# Altium PCB Layout.PcbDoc (part 1 of 3)
Units mm, origin at the board's own origin, x right, y up, seen from the top; angles counter-clockwise.
Board outline 143.51 x 102.23 mm, 2 copper layers (Top Layer, Bottom Layer); 183 components, 85 nets, 583 pads, 860 vias.
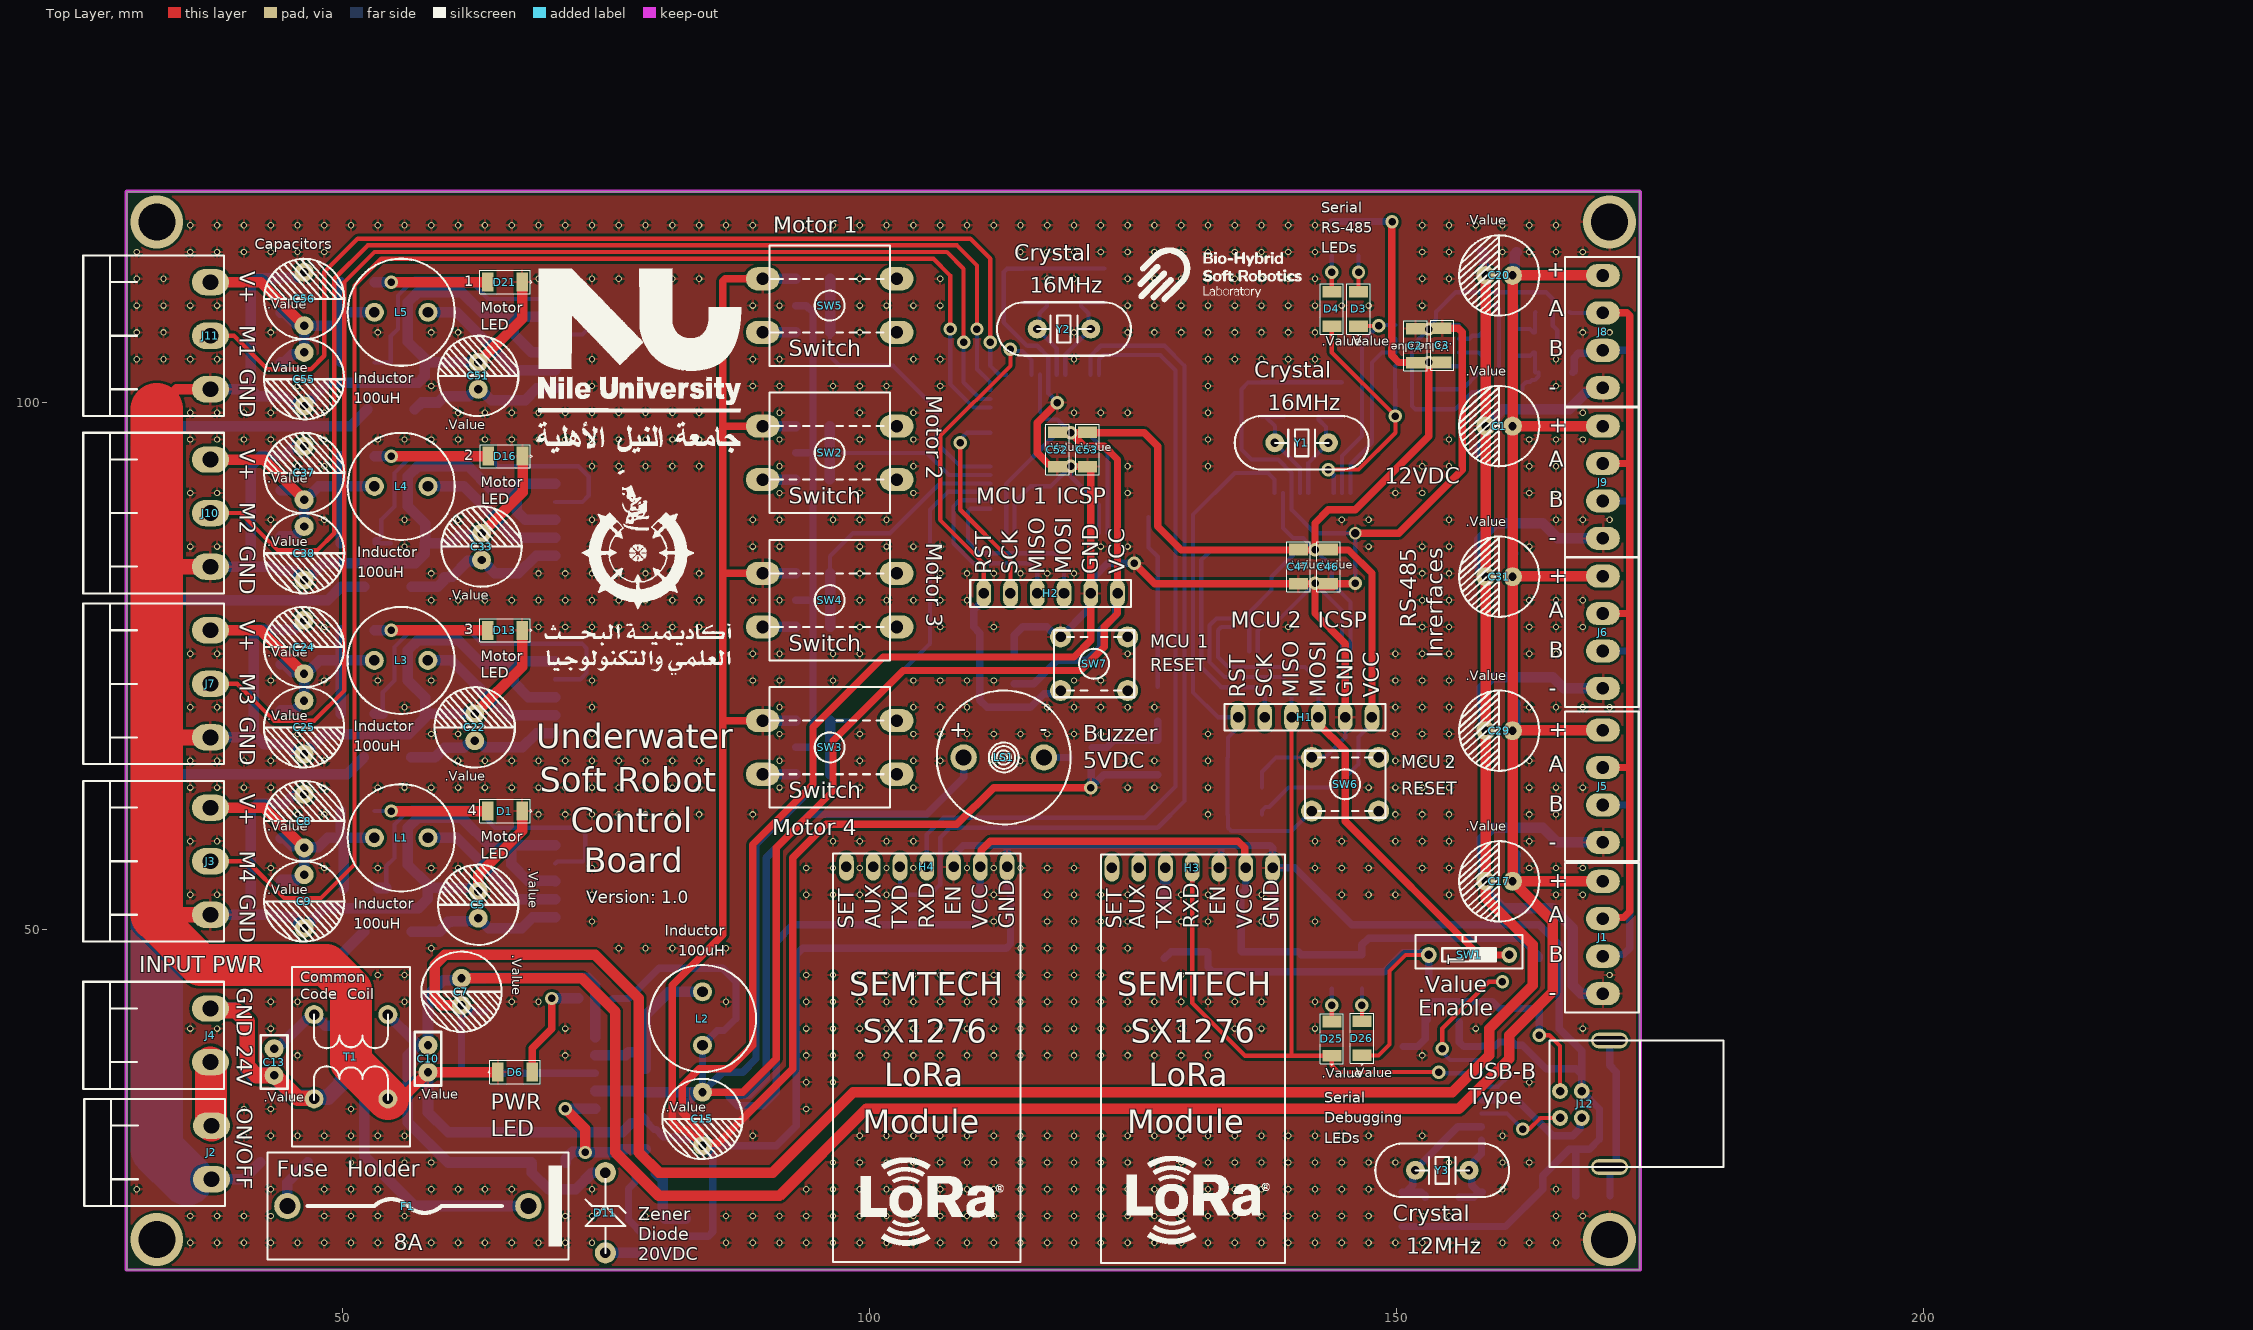
[diagram p0: Top Layer view]
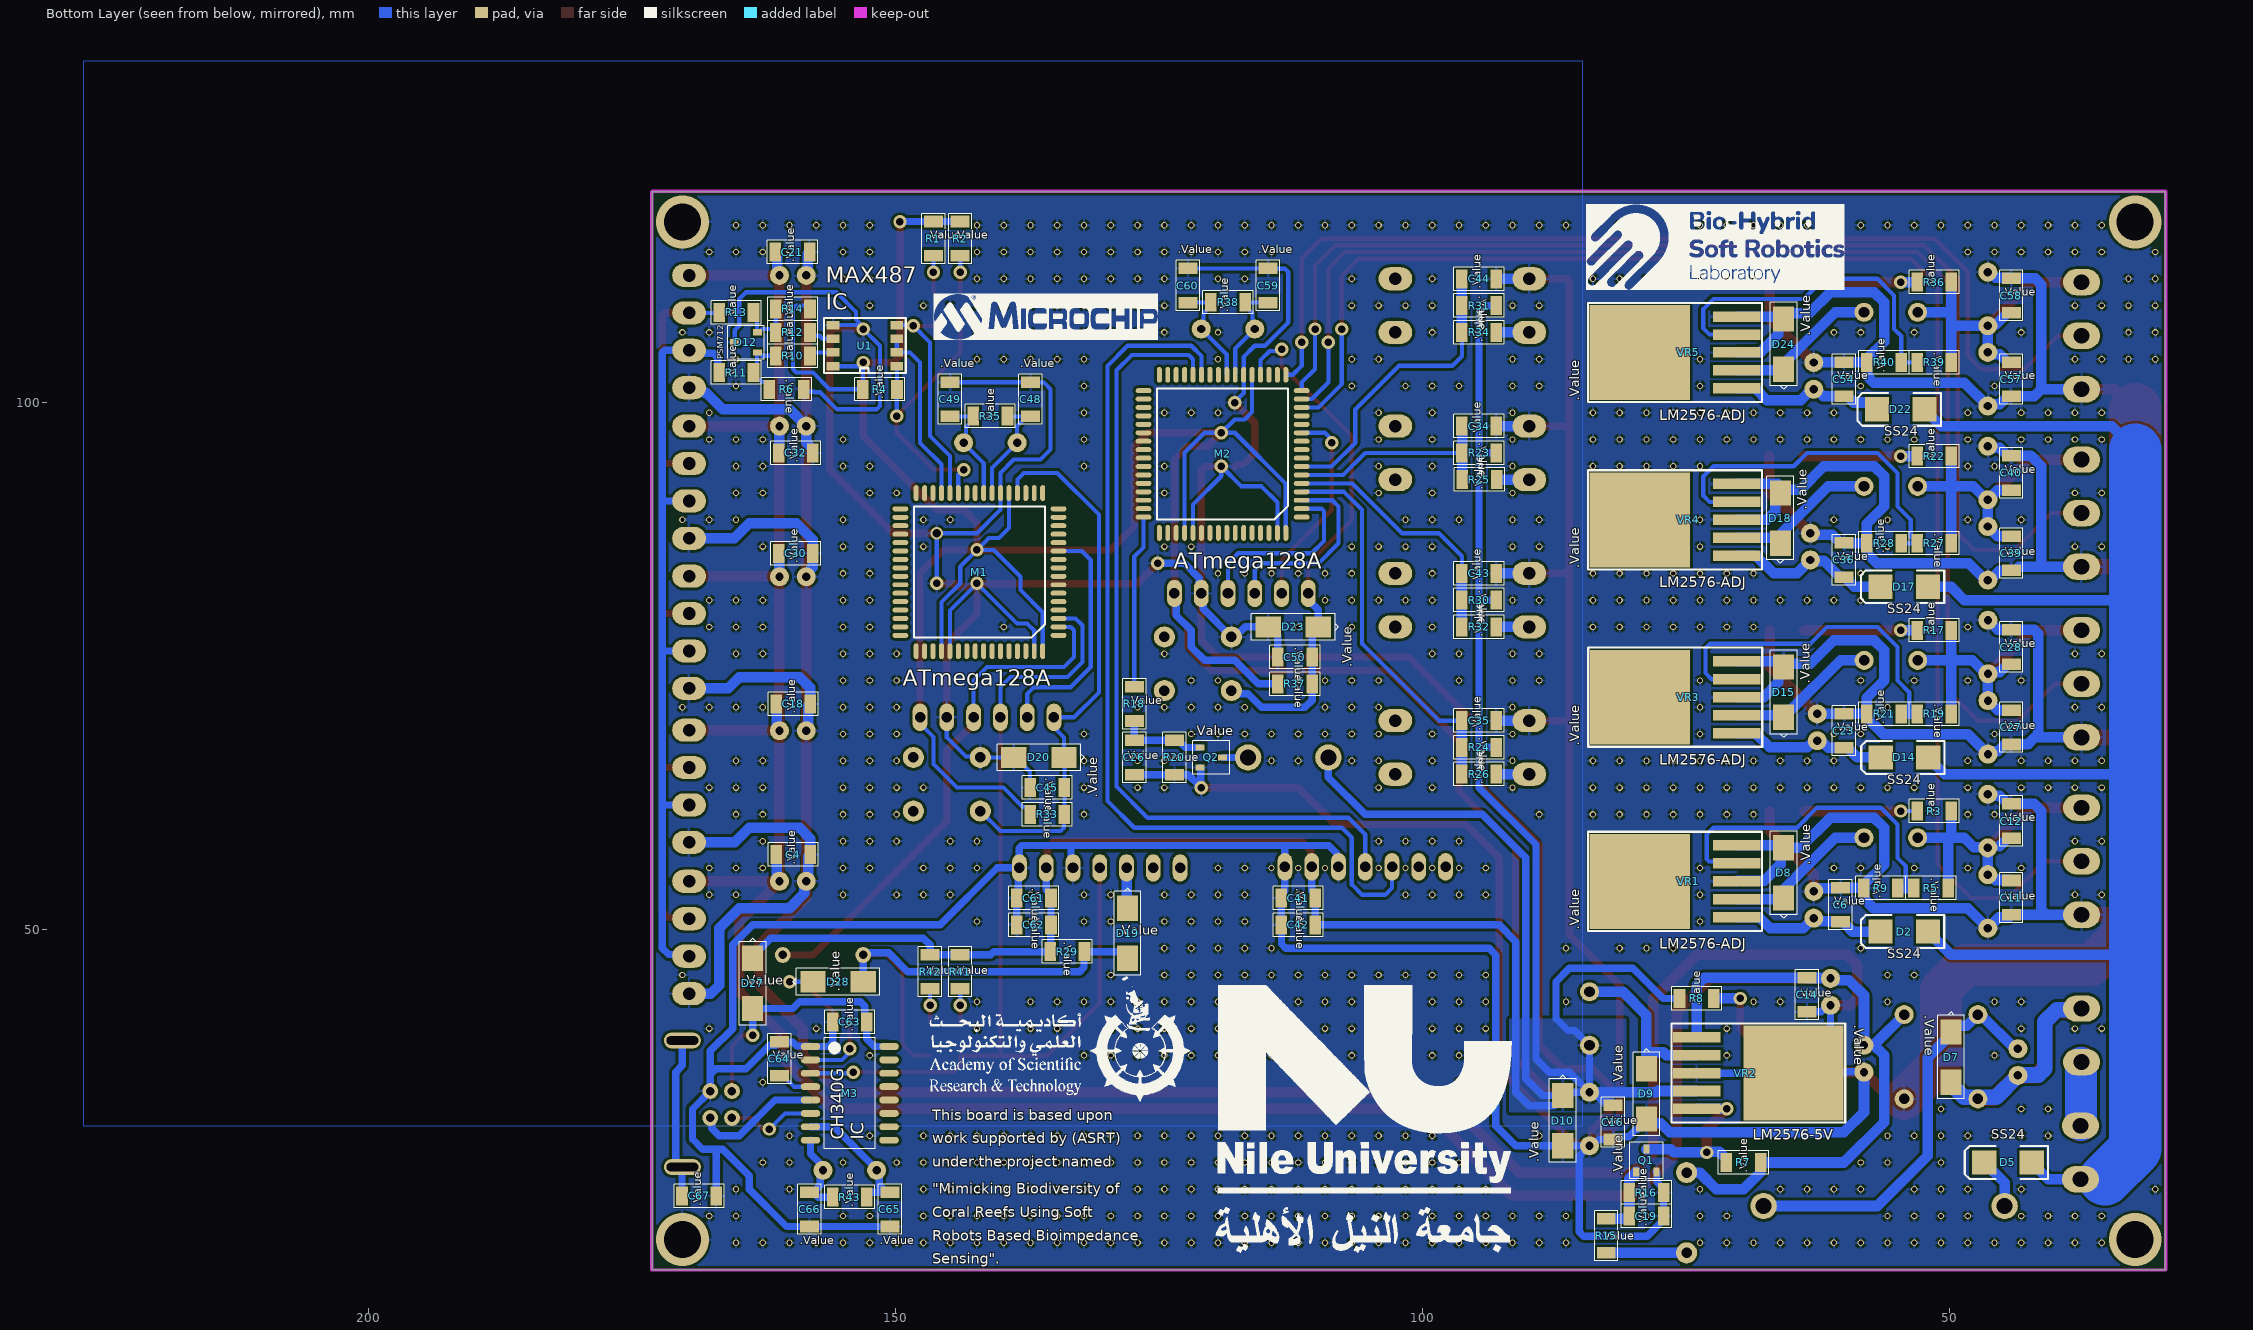
[diagram p1: Bottom Layer view, seen from below]

## Layer stack, top to bottom
Top Solder: solder mask 0.0102, Solder Resist, Dk 3.5
Top Layer: signal copper 0.0356
Dielectric 1: dielectric 0.32, FR-4, Dk 4.8
Bottom Layer: signal copper 0.0356
Bottom Solder: solder mask 0.0102, Solder Resist, Dk 3.5

## Board outline
29.527,23.177 29.527,120.015 173.037,120.015 173.037,17.78 29.527,17.78

## Design rules (kind name [scope] priority, off if disabled: settings)
Clearance [All] p1: gap=0.254 ignorepadtopadclearanceinfootprint=FALSE except(0: Arc-Hole Track-Hole SMDPad-Hole THPad-Hole Via-Hole Fill-Hole Poly-Hole Region-Hole Text-Hole)
PolygonConnect [All] p1: connectstyle=Relief reliefconductorwidth=0.254 reliefentries=4 polygonreliefangle="90 Angle" airgapwidth=0.254
RoutingVias [All] p1: holewidth=0.711 width=1.27 viastyle="Through Hole" minholewidth=0.711 minwidth=1.27 maxholewidth=0.711 maxwidth=1.27
SolderMaskExpansion [All] p1: expansion=0.102 istentingtop=FALSE
Width [All] p1: maxlimit=5 minlimit=0.254 preferedwidth=0.254
30 further rules are at their usual default settings.

## Components (designator, comment, footprint, x,y, rotation, side; value= is the part's Value field where it differs from the comment)
C1 "CAP POL" CAP-P-1W 160.972,97.79 r180 top value=220uF/50V
C2 "Cap" C-1206 151.765,105.41 r270 top value=104
C3 "Cap" C-1206 154.305,105.447 r270 top value=106
C4 "Cap" C-1206 159.665,57.15 r0 bottom value=104
C5 "CAP POL" CAP-P-1W 62.865,51.117 r90 top value=220uF/50V
C6 "Cap" C-1206 60.325,52.387 r270 bottom value=104
C7 "CAP POL" CAP-P-1W 61.277,45.402 r270 top value=220uF/50V
C8 "CAP POL" CAP-P-2 46.355,57.785 r90 top value=1000uF/16V
C9 "CAP POL" CAP-P-2 46.355,55.245 r270 top value=1000uF/16V
C10 "Cap" CAP-NP-1 58.102,36.512 r90 top value=104
C11 "Cap" C-1206 44.133,53.06 r90 bottom value=104
C12 "Cap" C-1206 44.133,60.325 r270 bottom value=104
C13 "Cap" CAP-NP-1 43.497,36.195 r90 top value=104
C14 "Cap" C-1206 63.5,43.852 r90 bottom value=104
C15 "CAP POL" CAP-P-2 84.138,34.608 r270 top value=1000uF/16V
C16 "Cap" C-1206 81.915,31.75 r90 bottom value=104
C17 "CAP POL" CAP-P-1W 160.972,54.61 r180 top value=220uF/50V
C18 "Cap" C-1206 159.665,71.438 r0 bottom value=104
C19 "Cap" C-1206 78.74,22.86 r0 bottom value=104
C20 "CAP POL" CAP-P-1W 160.972,112.078 r180 top value=220uF/50V
C21 "Cap" C-1206 159.74,114.3 r0 bottom value=104
C22 "CAP POL" CAP-P-1W 62.535,67.945 r90 top value=220uF/50V
C23 "Cap" C-1206 60.008,68.897 r270 bottom value=104
C24 "CAP POL" CAP-P-2 46.342,74.295 r90 top value=1000uF/16V
C25 "CAP POL" CAP-P-2 46.342,71.755 r270 top value=1000uF/16V
C26 "Cap" C-1206 127.317,66.358 r90 bottom value=104
C27 "Cap" C-1206 44.133,69.215 r90 bottom value=104
C28 "Cap" C-1206 44.133,76.835 r270 bottom value=104
C29 "CAP POL" CAP-P-1W 160.972,68.897 r180 top value=220uF/50V
C30 "Cap" C-1206 159.422,85.725 r0 bottom value=104
C31 "CAP POL" CAP-P-1W 160.972,83.502 r180 top value=220uF/50V
C32 "Cap" C-1206 159.422,95.25 r0 bottom value=104
C33 "CAP POL" CAP-P-1W 63.182,85.09 r90 top value=220uF/50V
C34 "Cap" C-1206 94.615,97.79 r0 bottom value=104
C35 "Cap" C-1206 94.615,69.85 r0 bottom value=104
C36 "Cap" C-1206 60.008,85.09 r270 bottom value=104
C37 "CAP POL" CAP-P-2 46.355,90.805 r90 top value=1000uF/16V
C38 "CAP POL" CAP-P-2 46.355,88.265 r270 top value=1000uF/16V
C39 "Cap" C-1206 44.133,85.725 r90 bottom value=104
C40 "Cap" C-1206 44.133,93.345 r270 bottom value=104
C41 "Cap" C-1206 111.76,53.023 r180 bottom value=104
C42 "Cap" C-1206 111.76,50.482 r180 bottom value=106
C43 "Cap" C-1206 94.615,83.82 r0 bottom value=104
C44 "Cap" C-1206 94.615,111.76 r0 bottom value=104
C45 "Cap" C-1206 135.572,63.5 r180 bottom value=101
C46 "Cap" C-1206 143.51,84.455 r90 top value=104
C47 "Cap" C-1206 140.653,84.455 r90 top value=106
C48 "Cap" C-1206 137.16,100.33 r270 bottom value=22pF
C49 "Cap" C-1206 144.78,100.33 r270 bottom value=22pF
C50 "Cap" C-1206 112.078,75.882 r180 bottom value=101
C51 "CAP POL" CAP-P-1W 62.865,101.282 r90 top value=220uF/50V
C52 "Cap" C-1206 117.792,95.567 r90 top value=104
C53 "Cap" C-1206 120.65,95.567 r90 top value=106
C54 "Cap" C-1206 60.008,102.235 r270 bottom value=104
C55 "CAP POL" CAP-P-2 46.355,104.775 r270 top value=1000uF/16V
C56 "CAP POL" CAP-P-2 46.355,107.315 r90 top value=1000uF/16V
C57 "Cap" C-1206 44.133,102.235 r90 bottom value=104
C58 "Cap" C-1206 44.133,110.172 r270 bottom value=104
C59 "Cap" C-1206 114.617,111.125 r270 bottom value=22pF
C60 "Cap" C-1206 122.237,111.125 r270 bottom value=22pF
C61 "Cap" C-1206 136.843,53.023 r180 bottom value=104
C62 "Cap" C-1206 136.843,50.482 r180 bottom value=106
C63 "Cap" C-1206 154.305,41.275 r180 bottom value=104
C64 "Cap" C-1206 160.972,37.782 r270 bottom value=104
C65 "Cap" C-1206 150.495,23.495 r90 bottom value=22pF
C66 "Cap" C-1206 158.115,23.495 r90 bottom value=22pF
C67 "Cap" C-1206 168.593,24.765 r0 bottom value=4n7
D1 "PWR" L-1206 65.405,61.277 r0 top value=M1
D2 "Diode" SMB 54.292,49.847 r0 bottom value=SS24
D3 "TX" L-1206 146.368,108.902 r270 top
D4 "RX" L-1206 143.827,108.902 r270 top
D5 "Diode" SMB 44.45,27.94 r0 bottom value=SS24
D6 "PWR" L-1206 66.358,36.512 r180 top value=POWER
D7 "Zener Diode" SMA 49.847,35.56 r90 bottom value=SMAJ24V
D8 "Diode" SMA 65.722,57.785 r270 bottom value=SS34
D9 "Diode" SMA 78.74,32.067 r90 bottom value=SS34
D10 "Zener Diode" SMA 86.677,29.527 r90 bottom value=SMAJ5V
D11 "Zener Diode" ZDiode-3 74.93,19.367 r90 top value=20V
D12 "PSM712" SOT23 164.147,105.727 r0 bottom
D13 "PWR" L-1206 65.405,78.422 r0 top value=M2
D14 "Diode" SMB 54.265,66.358 r0 bottom value=SS24
D15 "Diode" SMA 65.722,74.93 r270 bottom value=SS34
D16 "PWR" L-1206 65.442,94.932 r0 top value=M3
D17 "Diode" SMB 54.292,82.55 r0 bottom value=SS24
D18 "Diode" SMA 66.04,91.44 r270 bottom value=SS34
D19 "Diode" SMA 127.953,47.307 r90 bottom value=M7
D20 "Zener Diode" SMA 138.748,66.358 r180 bottom value=SMAJ5V
D21 "PWR" L-1206 65.405,111.442 r0 top value=M4
D22 "Diode" SMB 54.61,99.377 r0 bottom value=SS24
D23 "Zener Diode" SMA 114.617,78.74 r180 bottom value=SMAJ5V
D24 "Diode" SMA 65.722,107.95 r270 bottom value=SS34
D25 "RX" L-1206 143.827,39.688 r270 top
D26 "TX" L-1206 146.685,39.725 r270 top
D27 "Diode" SMA 163.512,42.545 r90 bottom value=M7
D28 "Diode" SMA 153.035,45.085 r0 bottom value=M7
F1 "Fuse" FUSE 44.767,23.813 r0 top value=1A
H1 "H_1X6" Header-01X06 147.637,70.168 r180 top
H2 "H_1X6" Header-01X06 123.507,81.915 r180 top
H3 "LORA" Header-01X07 138.212,55.88 r180 top
H4 "LORA" Header-01X07 113.03,55.98 r180 top
J1 "DWIN" STD-04-3.55MM 169.545,43.96 r90 top value=H4
J2 "ON/OFF" PLG-02-B 37.565,26.352 r90 top value=H2
J3 "MOTOR1" PLG-03-B 37.465,51.435 r90 top value=H3
J4 "PWR 24V" PLG-02-B 37.465,37.465 r90 top value=H2
J5 "S1" STD-04-3.55MM 169.545,58.305 r90 top value=H4
J6 "S2" STD-04-3.55MM 169.545,72.91 r90 top value=H4
J7 "MOTOR2" PLG-03-B 37.465,68.263 r90 top value=H3
J8 "S3" STD-04-3.55MM 169.545,101.428 r90 top value=H4
J9 "S4" STD-04-3.55MM 169.545,87.14 r90 top value=H4
J10 "MOTOR3" PLG-03-B 37.465,84.455 r90 top value=H3
J11 "MOTOR4" PLG-03-B 37.465,101.282 r90 top value=H3
J12 "USB type B" USB-TYPE-B 165.48,34.714 r0 top
L1 "Inductor" L_9X12 58.102,58.737 r180 top
L2 "Inductor" L_9X12 84.138,44.133 r270 top
L3 "Inductor" L_9X12 58.09,75.565 r180 top
L4 "Inductor" L_9X12 58.102,92.075 r180 top
L5 "Inductor" L_9X12 58.102,108.585 r180 top
LS1 "Buzzer" Buzzer 108.902,66.358 r0 top value=BUZ
M1 "Atmega128-SMD" Quad64 134.505,77.94 r0 bottom
M2 "Atmega128-SMD" Quad64 111.442,89.155 r0 bottom
M3 "CH340" SOIC-16 154.305,34.499 r180 bottom
Q1 "NPN" SOT23 78.74,28.135 r90 bottom value=546
Q2 "NPN" SOT23 120.015,66.358 r180 bottom value=546
R1 "Resistor" R-1206 146.368,115.57 r270 bottom value=1K
R2 "Resistor" R-1206 143.827,115.57 r270 bottom value=1K
R3 "Resistor" R-1206 51.435,61.277 r0 bottom value=1K
R4 "Resistor" R-1206 151.447,101.282 r0 bottom value=10K
R5 "Resistor" R-1206 51.752,53.975 r180 bottom value=62K
R6 "Resistor" R-1206 160.3,101.282 r180 bottom value=4K7
R7 "Resistor" R-1206 69.532,27.94 r0 bottom value=10K
R8 "Resistor" R-1206 73.977,43.497 r180 bottom value=1K
R9 "Resistor" R-1206 56.515,53.975 r180 bottom value=10K
R10 "Resistor" R-1206 159.702,104.457 r0 bottom value=47
R11 "Resistor" R-1206 165.063,102.87 r0 bottom value=JZ
R12 "Resistor" R-1206 159.702,106.68 r0 bottom value=47
R13 "Resistor" R-1206 165.063,108.585 r0 bottom value=JZ
R14 "Resistor" R-1206 159.702,108.902 r0 bottom value=4K7
R15 "Resistor" R-1206 82.55,20.992 r90 bottom value=1K
R16 "Resistor" R-1206 78.74,25.082 r180 bottom value=10K
R17 "Resistor" R-1206 51.435,78.422 r0 bottom value=1K
R18 "Resistor" R-1206 127.317,71.438 r270 bottom value=1K
R19 "Resistor" R-1206 51.435,70.485 r180 bottom value=62K
R20 "Resistor" R-1206 123.507,66.358 r90 bottom value=10K
R21 "Resistor" R-1206 56.197,70.485 r180 bottom value=10K
R22 "Resistor" R-1206 51.435,94.932 r0 bottom value=1K
R23 "Resistor" R-1206 94.615,95.25 r180 bottom value=10K
R24 "Resistor" R-1206 94.615,67.31 r180 bottom value=10K
R25 "Resistor" R-1206 94.578,92.71 r0 bottom value=100
R26 "Resistor" R-1206 94.615,64.77 r0 bottom value=100
R27 "Resistor" R-1206 51.435,86.677 r180 bottom value=62K
R28 "Resistor" R-1206 56.197,86.677 r180 bottom value=10K
R29 "Resistor" R-1206 133.667,47.942 r180 bottom value=10K
R30 "Resistor" R-1206 94.615,81.28 r180 bottom value=10K
R31 "Resistor" R-1206 94.615,109.22 r180 bottom value=10K
R32 "Resistor" R-1206 94.615,78.74 r0 bottom value=100
R33 "Resistor" R-1206 135.572,60.96 r180 bottom value=10K
R34 "Resistor" R-1206 94.615,106.68 r0 bottom value=100
R35 "Resistor" R-1206 140.97,98.742 r0 bottom value=1M
R36 "Resistor" R-1206 51.435,111.442 r0 bottom value=1K
R37 "Resistor" R-1206 112.078,73.343 r180 bottom value=10K
R38 "Resistor" R-1206 118.427,109.537 r0 bottom value=1M
R39 "Resistor" R-1206 51.435,103.822 r180 bottom value=62K
R40 "Resistor" R-1206 56.197,103.822 r180 bottom value=10K
R41 "Resistor" R-1206 143.827,46.038 r270 bottom value=1K
R42 "Resistor" R-1206 146.685,46.038 r270 bottom value=1K
R43 "Resistor" R-1206 154.305,24.656 r0 bottom value=1M
SW1 "SW-DIP01" SW-DIP-01 153.035,47.625 r270 top value=PRG
SW2 "SET" SW-SPST-4-B 89.852,97.79 r270 top value=M3
SW3 "UP" SW-SPST-4-B 89.852,69.85 r270 top value=M1
SW4 "DOWN" SW-SPST-4-B 89.852,83.82 r270 top value=M2
SW5 "ENTER" SW-SPST-4-B 89.852,111.76 r270 top value=M4
SW6 "RESET" SW-SPST-4 141.922,66.358 r270 top
SW7 "RESET" SW-SPST-4 118.11,77.787 r270 top
T1 "CM Trans" CM_UU9.8 47.293,41.973 r0 top
U1 "MAX487" SOIC_8 149.842,103.475 r90 bottom
VR1 "LM2576-ADJ" TO263_5 70.175,54.61 r90 bottom
VR2 "LM2576-5V" TO263_5 73.978,36.42 r270 bottom
VR3 "LM2576-ADJ" TO263_5 70.155,72.072 r90 bottom
VR4 "LM2576-ADJ" TO263_5 70.168,88.9 r90 bottom
VR5 "LM2576-ADJ" TO263_5 70.175,104.775 r90 bottom
Y1 "Crystal" Crystal 138.43,96.203 r0 top
Y2 "Crystal" Crystal 115.887,106.998 r0 top
Y3 "Crystal" Crystal 151.765,27.196 r0 top

## Footprints (in the part's own frame and the unit in brackets; to place one, negate y for a bottom-side part, rotate by r counter-clockwise, add the part's x,y. Pads: shape width x height; smd on the part's side, far side on the other; paste and mask are expansions set on the pad)
Buzzer [mm]
  round 2.5 hole 1.5: 1(0,0) 2(7.62,0)
  silkscreen extent -2.54,-6.35 10.16,6.35, body extent -2.19,-6 9.81,6, height 10
C-1206 [mm]
  rect 1.1x1.8 smd: 1(-1.625,0) 2(1.625,0)
  silkscreen extent -2.38,-1.11 2.38,1.11, body extent -1.6,-0.8 1.6,0.8, height 0.6
CAP-NP-1 [mm]
  round 1.8 hole 0.8: 1(0,0) 2(2.54,0)
  silkscreen extent -1.27,-1.27 3.81,1.27, body extent -1.27,-1.59 3.81,1.59, height 6.34
CAP-P-1W [mm]
  round 1.8 hole 0.8: 1(0,0) 2(2.54,0)
  silkscreen extent -2.54,-3.81 5.08,3.81, body extent -1.88,-3.15 4.42,3.15, height 17
CAP-P-2 [mm]
  round 1.8 hole 0.8: 1(0,0) 2(5.08,0)
  silkscreen extent -1.27,-3.81 6.35,3.81, body extent -2.36,-4.91 7.62,5.08, height 20
CM_UU9.8 [mm]
  round 1.8 hole 1: 1(0,0) 2(7,0) 3(0,-8) 4(7,-8)
  silkscreen extent -2.1,-12.5 9.1,4.5
Crystal [mm]
  round 1.8 hole 0.8: 1(0,0) 2(5.08,0)
  silkscreen extent -3.81,-2.54 8.89,2.54, body extent -3.14,-2.32 8.22,2.32, height 3.5
FUSE [mm]
  round 2.5 hole 1.5: 1(0,0) 2(22.86,0)
  silkscreen extent -1.91,-5.08 26.67,5.08
Header-01X06 [mm]
  oval 1.4x2.6 hole 1: 1(0,0) 2(2.54,0) 3(5.08,0) 4(7.62,0) 5(10.16,0) 6(12.7,0)
  silkscreen extent -1.27,-1.27 13.97,1.27, body extent -1.27,-1.14 13.97,1.27, height 8.38
Header-01X07 [mm]
  oval 1.4x2.6 hole 1: 1(0,0) 2(2.54,0) 3(5.08,0) 4(7.62,0) 5(10.16,0) 6(12.7,0) 7(15.24,0)
L-1206 [mm]
  rect 1.1x1.8 smd: 1(-1.625,0) 2(1.625,0)
  silkscreen extent -2.38,-1.11 2.54,1.11, body extent -1.6,-0.8 1.6,0.8, height 0.7
L_9X12 [mm]
  round 1.8 hole 1: 1(0,0) 2(5.08,0)
  silkscreen extent -2.54,-5.08 7.62,5.08, body extent -1.96,-4.5 7.04,4.5, height 12.2
PLG-02-B [mm]
  oval 2.5x3.5 hole 1.5: 1(0,0) 2(5.08,0)
  silkscreen extent -2.54,-1.27 7.62,12.06, body extent -2.54,-1.55 8.12,10.45, height 8.5
PLG-03-B [mm]
  oval 2.5x3.5 hole 1.5: 1(0,0) 2(5.08,0) 3(10.16,0)
  silkscreen extent -2.54,-1.27 12.7,12.07, body extent -2.56,-2.05 13.2,9.95, height 8.5
Quad64 [mm]
  oval 1.5x0.47 smd: 1(0,0) 2(0,-0.8) 3(0,-1.6) 4(0,-2.4) 5(0,-3.2) 6(0,-4) 7(0,-4.8) 8(0,-5.6) 9(0,-6.4) 10(0,-7.2) 11(0,-8) 12(0,-8.8) 13(0,-9.6) 14(0,-10.4) 15(0,-11.2) 16(0,-12) 33(15,-12) 34(15,-11.2) 35(15,-10.4) 36(15,-9.6) 37(15,-8.8) 38(15,-8) 39(15,-7.2) 40(15,-6.4) 41(15,-5.6) 42(15,-4.8) 43(15,-4) 44(15,-3.2) 45(15,-2.4) 46(15,-1.6) 47(15,-0.8) 48(15,0)
  oval 0.47x1.5 smd: 17(1.5,-13.5) 18(2.3,-13.5) 19(3.1,-13.5) 20(3.9,-13.5) 21(4.7,-13.5) 22(5.5,-13.5) 23(6.3,-13.5) 24(7.1,-13.5) 25(7.9,-13.5) 26(8.7,-13.5) 27(9.5,-13.5) 28(10.3,-13.5) 29(11.1,-13.5) 30(11.9,-13.5) 31(12.7,-13.5) 32(13.5,-13.5) 49(13.5,1.5) 50(12.7,1.5) 51(11.9,1.5) 52(11.1,1.5) 53(10.3,1.5) 54(9.5,1.5) 55(8.7,1.5) 56(7.9,1.5) 57(7.1,1.5) 58(6.3,1.5) 59(5.5,1.5) 60(4.7,1.5) 61(3.9,1.5) 62(3.1,1.5) 63(2.3,1.5) 64(1.5,1.5)
  silkscreen extent 1.28,-12.22 13.72,0.21, body extent -0.54,-14.03 15.46,1.97, height 1.2
R-1206 [mm] "Chip Resistor, 2-Leads, Body 3.20x1.60mm, IPC Low Density"
  rect 1.1x1.8 smd: 1(-1.625,0) 2(1.625,0)
  silkscreen extent -2.38,-1.11 2.38,1.11, body extent -1.6,-0.8 1.6,0.8, height 0.6
SMA [mm]
  rect 2.4x2 smd: 1(0,0) 2(4.763,0)
  silkscreen extent -1.59,-1.27 6.67,1.27, body extent -0.22,-1.3 4.98,1.3, height 2.4
SMB [mm] "DO-214-AA/SMB; 2 C-Bend Leads; Body 5.3 x 3.6 mm, inc. leads (LxW)"
  rect 2.3x2.3 smd: 1(-2.25,0) 2(2.25,0)
  silkscreen extent -3.8,-1.55 4.1,1.55, body extent -2.52,-1.81 2.83,1.81, height 2.65
SOIC-16 [mm] "SOIC, 16-Leads, Body 10.20x5.30mm, Pitch 1.27mm, IPC Low Density"
  oval 1.85x0.65 smd: 1(-3.725,4.445) 2(-3.725,3.175) 3(-3.725,1.905) 4(-3.725,0.635) 5(-3.725,-0.635) 6(-3.725,-1.905) 7(-3.725,-3.175) 8(-3.725,-4.445) 9(3.725,-4.445) 10(3.725,-3.175) 11(3.725,-1.905) 12(3.725,-0.635) 13(3.725,0.635) 14(3.725,1.905) 15(3.725,3.175) 16(3.725,4.445)
  silkscreen extent -2.4,-5.25 2.4,5.25, body extent -3.9,-5.25 3.9,5.25, height 2
SOIC_8 [mm] "SOIC, 8-Leads, Body 4.90x3.90mm, Pitch 1.27mm, IPC Medium Density"
  rect 0.8x1.2 smd: 1(0,0) 2(1.3,0) 3(2.6,0) 4(3.9,0) 5(3.9,6.05) 6(2.6,6.05) 7(1.3,6.05) 8(0,6.05)
  silkscreen extent -0.65,-0.85 4.55,6.9, body extent -0.55,0.18 4.36,6.17, height 1.75
SOT23 [mm] "SOT23, 3-Leads, Body 2.9x1.3mm, Pitch 0.95mm, Lead Span 2.3mm - Reverse Pinning, IPC High Density"
  rect 0.85x0.6 smd: 1(1.075,0) 2(-1.075,0.95) 3(-1.075,-0.95)
  silkscreen extent -1.75,-1.59 1.75,1.59, body extent -0.7,-1.5 0.7,1.5, height 1.1
STD-04-3.55MM [mm]
  oval 2.2x3.2 hole 1.2: 1(0,0) 2(3.55,0) 3(7.1,0) 4(10.65,0)
  silkscreen extent -1.78,-3.4 12.4,3.61
SW-DIP-01 [mm]
  round 1.5 hole 0.8: 1(0,0) 2(0,7.62)
  silkscreen extent -1.91,-1.27 1.27,8.89, body extent -2.55,-1.32 1.29,8.58, height 6.95
SW-SPST-4 [mm]
  round 2 hole 1: 1(0,0) 2(5.08,0) 3(5.08,6.35) 4(0,6.35)
  silkscreen extent -0.64,-0.64 5.71,6.99, body extent -0.47,-0.74 5.52,7.05, height 5.01
SW-SPST-4-B [mm]
  oval 2.2x3.2 hole 1.2: 1(0,0) 2(5.08,0) 3(5.08,12.7) 4(0,12.7)
  silkscreen extent -3.18,0.63 8.25,12.07, body extent -3.48,-0.74 8.52,13.36, height 7.36
TO263_5 [mm]
  rect 1x4.5 smd: 1(-3.4,0) 2(-1.7,0) 3(0,0) 4(1.7,0) 5(3.4,0)
  rect 9x9.5 smd: 6(0,9.2)
  silkscreen extent -4.7,-2.4 4.7,14.1, body extent -5.08,-0.98 5.08,13.37, height 4.65
USB-TYPE-B [mm]
  round 1.5 hole 0.8: 1(0,0) 2(0,-2.55) 3(2.05,-2.55) 4(2.05,0)
  oval 3.5x1.5 hole 0.8 slot 3 at 0 deg: S1(4.7,4.8) S2(4.7,-7.2)
  silkscreen extent -1,-7.2 15.5,4.8, body extent -1.5,-8.78 15,6.18, height 11.05
ZDiode-3 [mm]
  round 2 hole 1: 1(0,0) 2(7.62,0)
  silkscreen extent 0,-1.91 6.98,1.91

## Part data
C1 C5 C7 C8 C9 C15 C17 C20 C22 C24 C25 C29 C31 C33 C37 C38 C51 C55 C56: Package="RADIAL-2 Panasonic", Availability="In Stock", Check_prices=https://www.snapeda.com/parts/EEE-FK1H221GP/Panasonic%20Electronic%20Components/view-part/1428461/?ref=eda, MF="Panasonic Electronic", MP=EEE-FK1H221GP, Price=None, Purchase-URL=https://pricing.snapeda.com/search/part/EEE-FK1H221GP/?ref=eda, SnapEDA_Link=https://www.snapeda.com/parts/EEE-FK1H221GP/Panasonic%20Electronic%20Components/view-part/1428461/?ref=snap
C2 C3 C4 C6 C10 C11 C12 C13 C14 C16 C18 C19 C21 C23 C26 C27 C28 C30 C32 C34 C35 C36 C39 C40 C41 C42 C43 C44 C45 C46 C47 C48 C49 C50 C52 C53 C54 C57 C58 C59 C60 C61 C62 C63 C64 C65 C66 C67: "Capacitor", LatestRevisionDate=17-Jul-2002, LatestRevisionNote="Re-released for DXP Platform.", PackageDescription="Radial Cap, Thru-Hole; 2 Leads; 0.3 in Pin Spacing", PackageReference=RAD-0.3, Published=8-Jun-2000, Publisher="Altium Limited"
D1 D3 D4 D6 D13 D16 D21 D25 D26: library part LED, "Typical INFRARED GaAs LED", LatestRevisionDate=08-Jul-2005, LatestRevisionNote="Mech Layer 1 removed.", PackageDescription="LED; 2 Leads", PackageReference=LED-0, Published=8-Jun-2000, Publisher="Altium Limited"
D2 D5 D8 D9 D14 D15 D17 D18 D19 D22 D24 D27 D28: "Default Diode", Code_JEDEC=DO-214-AB, LatestRevisionDate=17-Jul-2002, LatestRevisionNote="Re-released for DXP Platform.", PackageDescription="DO-214-AB/SMC; 2 C-Bend Leads; Body 7.9 x 5.9 mm, inc. leads (LxW)", PackageReference=SMC, PackageVersion=Sep-1996, Published=8-Jun-2000, Publisher="Altium Limited"
D7 D10 D11 D20 D23: Package="SMB Taiwan Semiconductor", Availability="In Stock", Check_prices=https://www.snapeda.com/parts/SMBJ24CA/Taiwan+Semiconductor/view-part/?ref=eda, MF="Taiwan Semiconductor", MP=SMBJ24CA, Price=None, Purchase-URL=https://pricing.snapeda.com/search/part/SMBJ24CA/?ref=eda, SnapEDA_Link=https://www.snapeda.com/parts/SMBJ24CA/Taiwan+Semiconductor/view-part/?ref=snap
H3 H4: library part H_1X7
J1 J5 J6 J8 J9: library part CON04
J2 J4: library part CON02
J3 J7 J10 J11: library part CON03
J12: "USB-B (USB TYPE-B) USB 2.0 Receptacle Connector 4 Position Through Hole, Right Angle", Package=None, Check_prices=https://www.snapeda.com/parts/61400416121/Wurth+Elektronik/view-part/?ref=eda, MF="Wurth Elektronik", MP=61400416121, SnapEDA_Link=https://www.snapeda.com/parts/61400416121/Wurth+Elektronik/view-part/?ref=snap
LS1: "Buzzers Indicator, Internally Driven Electromechanical/Magnetic 3V 30mA 2.7kHz 80dB @ 3V, 10cm Through Hole PC Pins", Package=None, Availability="In Stock", Check_prices=https://www.snapeda.com/parts/AI-1027-TWT-3V-R/PUI%20Audio,%20Inc./view-part/7376009/?ref=eda, MF="PUI Audio, Inc.", MP=AI-1027-TWT-3V-R, Price=None, Purchase-URL=https://pricing.snapeda.com/search/part/AI-1027-TWT-3V-R/?ref=eda, SnapEDA_Link=https://www.snapeda.com/parts/AI-1027-TWT-3V-R/PUI%20Audio,%20Inc./view-part/7376009/?ref=snap
Q1 Q2: library part NPN-CBE, "NPN Bipolar Transistor", Code_JEDEC=TO-226-AA, LatestRevisionDate=17-Jul-2002, LatestRevisionNote="Re-released for DXP Platform.", PackageDescription="TO, Flat Index; 3 In-Line, Axial Leads; Body Dia. 4.8mm; Leads 0.55 x 0.51 mm (max)", PackageReference=TO-226-AA, Published=8-Jun-2000, Publisher="Altium Limited"
SW2 SW3 SW4 SW5 SW6 SW7: library part PushButton, "Switch Push Button OFF (ON) SPST Round Button 0.05A 24VDC Momentary Contact PC Pins Thru-Hole", Package=None, Availability="In Stock", Check_prices=https://www.snapeda.com/parts/3-1825910-1/TE+Connectivity+ALCOSWITCH+Switches/view-part/?ref=eda, MF="TE Connectivity", MP=3-1825910-1, Price=None, Purchase-URL=https://pricing.snapeda.com/search/part/3-1825910-1/?ref=eda, SnapEDA_Link=https://www.snapeda.com/parts/3-1825910-1/TE+Connectivity+ALCOSWITCH+Switches/view-part/?ref=snap
T1: "2 Line Common Mode Choke", Package="1210 Murata", Availability="In Stock", Check_prices=https://www.snapeda.com/parts/DLP11SN900HL2L/Murata/view-part/?ref=eda, MF=Murata, MP=DLP11SN900HL2L, Price=None, Purchase-URL=https://pricing.snapeda.com/search/part/DLP11SN900HL2L/?ref=eda, SnapEDA_Link=https://www.snapeda.com/parts/DLP11SN900HL2L/Murata/view-part/?ref=snap
VR1 VR2 VR3 VR4 VR5: library part LM2576HVT-ADJ, "SIMPLE SWITCHER&reg; 4V to 60V, 3A Low Component Count Step-Down Regulator 5-TO-220 -40 to 125", Package="TO-220-5 Texas Instruments", Availability="In Stock", Check_prices=https://www.snapeda.com/parts/LM2576HVT-ADJ/Texas+Instruments/view-part/?ref=eda, MF="Texas Instruments", MP=LM2576HVT-ADJ, Price=None, Purchase-URL=https://pricing.snapeda.com/search/part/LM2576HVT-ADJ/?ref=eda, SnapEDA_Link=https://www.snapeda.com/parts/LM2576HVT-ADJ/Texas+Instruments/view-part/?ref=snap
F1: LatestRevisionDate=17-Jul-2002, LatestRevisionNote="Re-released for DXP Platform.", PackageDescription="Thru-Hole; 2 Leads", PackageReference=PIN-W2/E2.8, Published=8-Jun-2000, Publisher="Altium Limited"
L1 L2 L3 L4 L5: LatestRevisionDate=08-Jul-2005, LatestRevisionNote="Mech Layer 1 removed.", PackageDescription="LED; 2 Leads", PackageReference=LED-0, Published=8-Jun-2000, Publisher="Altium Limited"
R1 R2 R3 R4 R5 R6 R7 R8 R9 R10 R11 R12 R13 R14 R15 R16 R17 R18 R19 R20 R21 R22 R23 R24 R25 R26 R27 R28 R29 R30 R31 R32 R33 R34 R35 R36 R37 R38 R39 R40 R41 R42 R43: LatestRevisionDate=17-Jul-2002, LatestRevisionNote="Re-released for DXP Platform.", PackageDescription="Axial Device, Thru-Hole; 2 Leads; 0.3 in Pin Spacing", PackageReference=AXIAL-0.3, Published=8-Jun-2000, Publisher="Altium Limited"
Y1 Y2: Parameter 1=16MHz
Y3: Parameter 1=12MHz

## Via types
v1: diameter 0.6, hole 0.4, Top Layer to Bottom Layer, tented both sides, 819 vias
v2: diameter 1.27, hole 0.711, Top Layer to Bottom Layer, 28 vias
v3: diameter 1.27, hole 0.711, Top Layer to Bottom Layer, tented both sides, 8 vias
v4: diameter 5, hole 3.5, Top Layer to Bottom Layer, 4 vias
v5: diameter 1.2, hole 0.8, Top Layer to Bottom Layer, tented top, 1 vias

## Nets (pads, with @x,y where several pads share a name; then routed paths per layer and width w, separated by ;. In a path a pad name is that pad's centre, name@x,y a point inside that pad or via, vN(x,y) a via of type N, cw(c..) or ccw(c..) an arc to the next point about the centre after c; other vN are vias at no path point)
A: J1.3 J5.3 J6.3 J8.3 J9.3 R13.2 | length 72.8
  Top Layer w0.7: J1.3@169.545,51.06 169.663,51.178 171.511,51.178 172.085,51.752 172.085,65.405 ; J5.3@169.545,65.405 172.085,65.405 ; J6.3@169.545,80.01 172.085,80.01 ; J9.3@169.545,94.24 172.028,94.24 172.085,94.297 ; J8.3@169.545,108.528 171.825,108.528 172.085,108.268 172.085,94.297 ; 172.085,65.405 172.085,80.01 ; 172.085,80.01 172.085,94.297
  Bottom Layer w0.4: R13.2@166.407,108.585 166.465,108.528 J8.3@169.545,108.528
B: J1.2 J5.2 J6.2 J8.2 J9.2 R11.2 | length 74.2
  Bottom Layer w0.7: R11.2@166.688,102.87 166.812,102.994 166.812,104.28 167.222,104.69 169.258,104.69 J8.2@169.545,104.978 171.851,104.978 172.085,104.743 172.085,90.805 ; J1.2@169.545,47.51 169.702,47.667 171.492,47.667 172.085,48.26 172.085,61.912 ; J5.2@169.545,61.855 172.027,61.855 172.085,61.912 ; J6.2@169.545,76.46 172.027,76.46 172.085,76.517 ; J9.2@169.545,90.69 171.97,90.69 172.085,90.805 ; 172.085,61.912 172.085,76.517 ; 172.085,76.517 172.085,90.805